# Altium PCB dac_brd_raton_v0.PcbDoc (part 3 of 3)
Units mm, origin at the board's own origin, x right, y up, seen from the top; angles counter-clockwise.
Board outline 145.29 x 217.93 mm, 2 copper layers (Top Layer, Bottom Layer); 316 components, 149 nets, 804 pads, 301 vias.
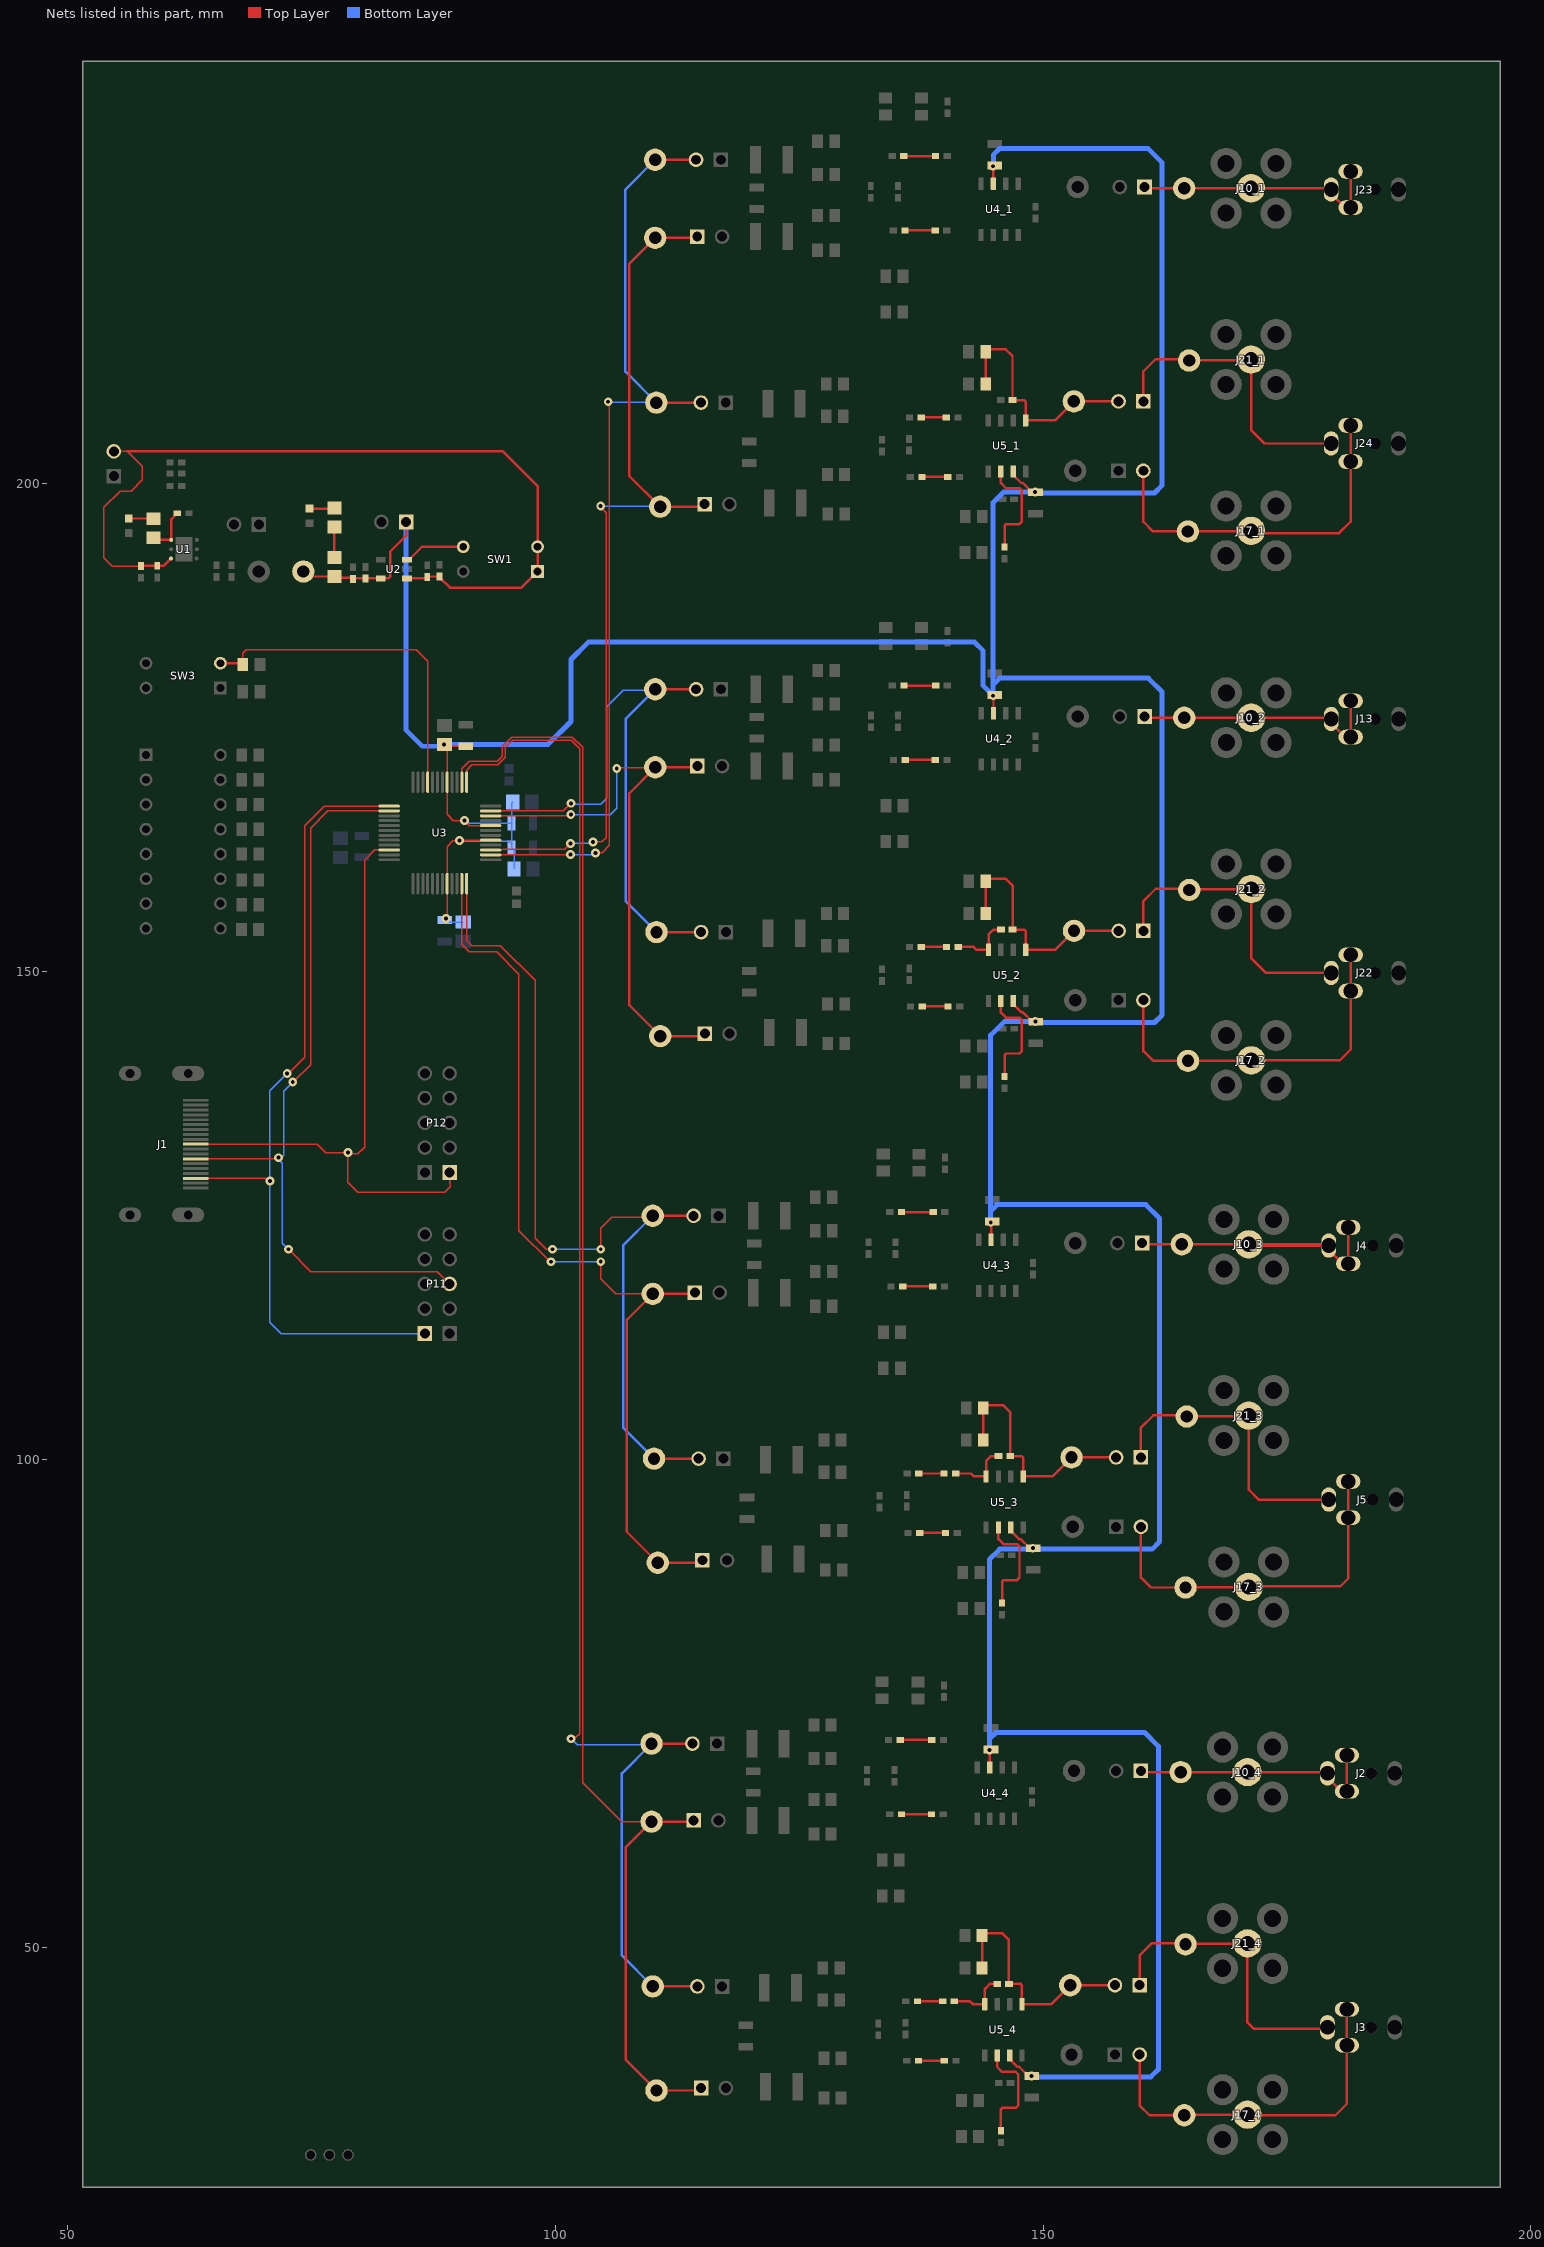
[diagram p3: the nets of this part, all layers, seen from the top]

## Via types
v1: diameter 0.9, hole 0.4, Top Layer to Bottom Layer, tented both sides, 287 vias
v2: diameter 0.9, hole 0.4, Top Layer to Bottom Layer, 10 vias
v3: diameter 6, hole 3.15, Top Layer to Bottom Layer, 4 vias

## Nets (pads, with @x,y where several pads share a name; then routed paths per layer and width w, separated by ;. In a path a pad name is that pad's centre, name@x,y a point inside that pad or via, vN(x,y) a via of type N, cw(c..) or ccw(c..) an arc to the next point about the centre after c; other vN are vias at no path point) (continued)
NetC36_1_2: C36_1.2 J19_1.1 P9_1.2 R38_1.1 R39_1.1 U5_1.5 | length 24.6
  Top Layer w0.254: R38_1.1@144.104,210.229 R39_1.1@144.104,213.531 144.358,213.785 146.164,213.785 146.856,213.093 C36_1.2@146.856,208.578 148.048,208.578 148.196,208.43 U5_1.5@148.196,206.504 151.202,206.504 J19_1.1@153.149,208.451 P9_1.2@157.721,208.451
NetC36_2_1: C36_2.1 R36_2.2 U5_2.8 | length 6.3
  Top Layer w0.254: R36_2.2@141.281,152.527 142.875,152.527 143.171,152.231 U5_2.8@144.399,152.231 144.399,153.797 144.907,154.305 C36_2.1@145.669,154.305
NetC36_2_2: C36_2.2 J19_2.1 P9_2.2 R38_2.1 R39_2.1 U5_2.5 | length 24.6
  Top Layer w0.254: R38_2.1@144.117,155.956 R39_2.1@144.117,159.258 144.371,159.512 146.177,159.512 146.869,158.82 C36_2.2@146.869,154.305 148.06,154.305 148.209,154.156 U5_2.5@148.209,152.231 151.215,152.231 J19_2.1@153.162,154.178 P9_2.2@157.734,154.178
NetC36_3_1: C36_3.1 R36_3.2 U5_3.8 | length 6.3
  Top Layer w0.254: R36_3.2@141.027,98.552 142.621,98.552 142.917,98.256 U5_3.8@144.145,98.256 144.145,99.822 144.653,100.33 C36_3.1@145.415,100.33
NetC36_3_2: C36_3.2 J19_3.1 P9_3.2 R38_3.1 R39_3.1 U5_3.5 | length 24.6
  Top Layer w0.254: R38_3.1@143.863,101.981 R39_3.1@143.863,105.283 144.117,105.537 145.923,105.537 146.615,104.845 C36_3.2@146.615,100.33 147.806,100.33 147.955,100.181 U5_3.5@147.955,98.256 150.961,98.256 J19_3.1@152.908,100.203 P9_3.2@157.48,100.203
NetC36_4_1: C36_4.1 R36_4.2 U5_4.8 | length 6.3
  Top Layer w0.254: R36_4.2@140.9,44.45 142.494,44.45 142.79,44.154 U5_4.8@144.018,44.154 144.018,45.72 144.526,46.228 C36_4.1@145.288,46.228
NetC36_4_2: C36_4.2 J19_4.1 P9_4.2 R38_4.1 R39_4.1 U5_4.5 | length 24.6
  Top Layer w0.254: R38_4.1@143.736,47.879 R39_4.1@143.736,51.181 143.99,51.435 145.796,51.435 146.488,50.743 C36_4.2@146.488,46.228 147.679,46.228 147.828,46.079 U5_4.5@147.828,44.154 150.834,44.154 J19_4.1@152.781,46.101 P9_4.2@157.353,46.101
NetLED1_2: LED1.2 R3.1 | length 2.5
  Top Layer w0.254: LED1.2@56.261,196.445 58.784,196.445 R3.1@58.801,196.428
NetLED2_2: LED2.2 R4.1 | length 2.6
  Top Layer w0.254: LED2.2@74.803,197.461 77.274,197.461 R4.1@77.343,197.53
NetR1_1: R1.1 R3.2 U1.4 | length 5
  Top Layer w0.254: R3.2@58.801,194.478 59.035,194.244 U1.4@60.625,194.244 60.625,196.353 61.001,196.729 61.001,196.804 61.174,196.977 R1.1@61.249,196.977
NetR2_1: R2.1 R4.2 | length 3.1
  Top Layer w0.254: R2.1@77.343,192.45 R4.2@77.343,195.58
NetR18_1_2: R18_1.2 R19_1.1 | length 3.1
  Top Layer w0.254: R18_1.2@135.842,225.977 R19_1.1@138.925,225.977
NetR18_2_2: R18_2.2 R19_2.1 | length 3.1
  Top Layer w0.254: R18_2.2@135.855,171.704 R19_2.1@138.938,171.704
NetR18_3_2: R18_3.2 R19_3.1 | length 3.1
  Top Layer w0.254: R18_3.2@135.601,117.729 R19_3.1@138.684,117.729
NetR18_4_2: R18_4.2 R19_4.1 | length 3.1
  Top Layer w0.254: R18_4.2@135.474,63.627 R19_4.1@138.557,63.627
NetR22_1_2: R22_1.2 R23_1.1 | length 3.2
  Top Layer w0.254: R22_1.2@135.715,233.597 R23_1.1@138.96,233.597
NetR22_2_2: R22_2.2 R23_2.1 | length 3.2
  Top Layer w0.254: R22_2.2@135.728,179.324 R23_2.1@138.973,179.324
NetR22_3_2: R22_3.2 R23_3.1 | length 3.2
  Top Layer w0.254: R22_3.2@135.474,125.349 R23_3.1@138.719,125.349
NetR22_4_2: R22_4.2 R23_4.1 | length 3.2
  Top Layer w0.254: R22_4.2@135.347,71.247 R23_4.1@138.592,71.247
NetR30_1_2: R30_1.2 R31_1.1 | length 2.6
  Top Layer w0.254: R30_1.2@137.585,200.704 R31_1.1@140.23,200.704
NetR30_2_2: R30_2.2 R31_2.1 | length 2.6
  Top Layer w0.254: R30_2.2@137.598,146.431 R31_2.1@140.243,146.431
NetR30_3_2: R30_3.2 R31_3.1 | length 2.6
  Top Layer w0.254: R30_3.2@137.344,92.456 R31_3.1@139.989,92.456
NetR30_4_2: R30_4.2 R31_4.1 | length 2.6
  Top Layer w0.254: R30_4.2@137.217,38.354 R31_4.1@139.862,38.354
NetR33_1_2: R33_1.2 U5_1.2 | length 11
  Top Layer w0.254: U5_1.2@145.656,201.254 145.656,200.069 146.164,199.561 147.561,199.561 147.815,199.307 147.815,196.132 147.561,195.878 146.186,195.878 146.037,195.73 R33_1.2@146.037,193.522
NetR33_2_2: R33_2.2 U5_2.2 | length 11
  Top Layer w0.254: U5_2.2@145.669,146.981 145.669,145.796 146.177,145.288 147.574,145.288 147.828,145.034 147.828,141.859 147.574,141.605 146.199,141.605 146.05,141.456 R33_2.2@146.05,139.249
NetR33_3_2: R33_3.2 U5_3.2 | length 11
  Top Layer w0.254: U5_3.2@145.415,93.006 145.415,91.821 145.923,91.313 147.32,91.313 147.574,91.059 147.574,87.884 147.32,87.63 145.945,87.63 145.796,87.481 R33_3.2@145.796,85.274
NetR33_4_2: R33_4.2 U5_4.2 | length 11
  Top Layer w0.254: U5_4.2@145.288,38.904 145.288,37.719 145.796,37.211 147.193,37.211 147.447,36.957 147.447,33.782 147.193,33.528 145.818,33.528 145.669,33.379 R33_4.2@145.669,31.172
NetR35_1_2: R35_1.2 R36_1.1 | length 2.6
  Top Layer w0.254: R35_1.2@137.493,206.8 R36_1.1@140.068,206.8
NetR35_2_2: R35_2.2 R36_2.1 | length 2.6
  Top Layer w0.254: R35_2.2@137.506,152.527 R36_2.1@140.081,152.527
NetR35_3_2: R35_3.2 R36_3.1 | length 2.6
  Top Layer w0.254: R35_3.2@137.252,98.552 R36_3.1@139.827,98.552
NetR35_4_2: R35_4.2 R36_4.1 | length 2.6
  Top Layer w0.254: R35_4.2@137.125,44.45 R36_4.1@139.7,44.45
RST': R8.1 SW3.2 U3.9 | length 35.5
  Top Layer w0.152: R8.1@67.959,181.483 67.945,181.497 67.945,181.61 67.945,182.626 68.326,183.007 85.725,183.007 86.908,181.824 U3.9@86.908,169.418
  Top Layer w0.254: SW3.2@65.659,181.61 67.832,181.61 R8.1@67.945,181.497
SCKI: J1.7 P11.5 U3.14 | length 80.6
  Top Layer w0.152: J1.7@63.119,130.81 71.501,130.81 v1(71.619,130.928) ; v1(72.644,121.539) 74.93,119.253 87.884,119.253 P11.5@89.154,117.983 ; v1@73.025,138.684 73.152,138.684 74.93,140.462 74.93,164.719 76.679,166.468 U3.14@82.958,166.468
  Bottom Layer w0.152: v1(71.619,130.928) 71.619,130.748 v1@71.656,130.711 ; v1@71.628,130.683 v1@71.656,130.711 ; v1(72.644,121.539) 72.009,122.174 72.009,130.358 v1@71.656,130.711 ; v1(73.079,138.675) 72.136,137.731 72.136,131.191 v1@71.656,130.711
SPICLK: J1.10 P12.1 U3.22 | length 66.1
  Top Layer w0.152: J1.10@63.119,132.31 75.589,132.31 76.454,131.445 v1(78.74,131.445) ; U3.22@82.958,162.468 81.493,162.468 80.442,161.417 80.442,132.004 79.756,131.318 78.867,131.318 v1(78.74,131.445) ; P12.1@89.154,129.413 89.154,128.378 89.218,128.314 89.218,127.953 88.646,127.381 79.756,127.381 78.74,128.397 v1(78.74,131.445)
SUB: J1.3 P11.2 U3.13 | length 85.7
  Top Layer w0.152: J1.3@63.119,128.81 70.251,128.81 70.537,128.524 v1(70.739,128.524) ; v1@72.81,139.739 74.295,141.224 74.295,164.973 76.29,166.968 U3.13@82.958,166.968
  Bottom Layer w0.152: v1(72.508,139.564) 70.739,137.795 v1(70.739,128.524) 70.739,114.046 71.882,112.903 P11.2@86.614,112.903
V5: C7.1 C8.1 C9.1 C10.1 C11.1 C12.1 C15.1 C16.1 C17.1 C18.1 C23_1.1 C23_2.1 C23_3.1 C23_4.1 C31_1.1 C31_2.1 C31_3.1 C31_4.1 J6.1 P2.1 R2.2 U2.5 U3.5 U3.32 U3.41 U3.44 U4_1.7 U4_2.7 U4_3.7 U4_4.7 U5_1.3 U5_2.3 U5_3.3 U5_4.3 | length 508.2
  Top Layer w0.152: v1(88.777,155.452) 88.908,155.583 U3.32@88.908,159.018 88.908,162.822 89.491,163.405 90.126,163.405 v1(90.17,163.449) 90.189,163.468 U3.41@93.358,163.468 ; C16.1@88.777,173.138 C16.1@88.814,173.101 ; C15.1@90.805,173.101 C16.1@88.814,173.101 ; U3.44@93.358,164.968 91.191,164.968 v1(90.678,165.481) 89.535,165.481 88.9,166.116 88.9,169.41 U3.5@88.908,169.418 88.908,173.007 C16.1@88.814,173.101
  Top Layer w0.254: J6.1@74.168,191.008 74.718,191.008 75.226,190.5 R2.2@77.343,190.5 77.47,190.373 79.253,190.373 79.314,190.312 80.518,190.312 82.909,190.312 83.058,190.461 83.058,193.04 84.709,194.691 P2.1@84.709,196.088 ; U4_4.7@144.526,68.411 C23_4.1@144.526,70.147 ; U4_3.7@144.653,122.513 C23_3.1@144.653,124.249 ; U4_1.7@144.894,230.761 144.894,232.497 C23_1.1@145.021,232.624 ; U4_2.7@144.907,176.488 C23_2.1@144.907,178.224 ; U5_4.3@146.558,38.904 146.558,38.554 147.379,37.733 147.548,37.733 C31_4.1@148.494,36.787 ; U5_3.3@146.685,93.006 146.685,92.656 147.506,91.835 147.675,91.835 C31_3.1@148.621,90.889 ; U5_1.3@146.926,201.254 146.926,200.904 147.747,200.083 147.916,200.083 148.862,199.137 C31_1.1@149.212,199.137 ; U5_2.3@146.939,146.981 146.939,146.631 147.76,145.81 147.929,145.81 C31_2.1@148.875,144.864
  Bottom Layer w0.152: v1(88.777,155.452) 89.162,155.067 C17.1@90.551,155.067 ; v1(90.17,163.449) 90.258,163.361 95.18,163.361 C10.1@95.504,163.037 ; v1(90.678,165.481) 90.88,165.481 91.134,165.227 C9.1@95.504,165.227 ; C11.1@95.631,167.386 95.504,167.259 C9.1@95.504,165.227 ; C12.1@95.758,160.528 95.758,162.433 C10.1@95.504,162.687 C10.1@95.504,163.037 ; C10.1@95.504,163.037 C9.1@95.504,165.227
  Bottom Layer w0.508: P2.1@84.709,196.088 84.709,174.752 86.36,173.101 v1@88.519,173.101 ; v1(88.587,173.287) 99.246,173.287 101.6,175.641 101.6,181.991 103.378,183.769 142.955,183.769 143.845,182.879 143.845,179.307 v1(144.875,178.276) 144.875,198.088 145.936,199.149 v2(149.181,199.149) 149.276,199.053 161.404,199.053 162.166,199.815 162.166,232.962 160.769,234.359 145.529,234.359 144.894,233.724 144.894,232.581 v2(144.863,232.55) ; v1(144.494,70.199) 144.494,89.757 145.542,90.805 148.844,90.805 v1(148.939,90.9) 149.034,90.805 161.163,90.805 161.925,91.567 161.925,124.714 160.528,126.111 145.288,126.111 144.653,125.476 ; 144.526,71.374 145.161,72.009 160.401,72.009 161.798,70.612 161.798,37.465 161.036,36.703 148.907,36.703 v1(148.812,36.798) ; v1(144.621,124.301) 144.621,143.478 146.05,144.907 149.161,144.907 v1(149.193,144.875) 149.288,144.78 161.417,144.78 162.179,145.542 162.179,178.689 160.782,180.086 145.542,180.086 144.907,179.451
V5_EN: SW1.3 U2.3 | length 6.3
  Top Layer w0.254: U2.3@84.789,192.212 84.989,192.212 86.325,193.548 SW1.3@90.551,193.548
VIN: C1.1 C4.1 C5.1 C6.1 P1.2 SW1.1 SW1.2 U1.6 U2.1 | length 89.7
  Top Layer w0.152: P1.2@54.737,203.327 56.134,203.327 57.658,201.803 57.658,200.406 56.515,199.263 55.372,199.263 53.721,197.612 53.721,192.405 54.553,191.573 C4.1@57.531,191.573
  Top Layer w0.254: 56.134,203.327 94.615,203.327 98.171,199.771 SW1.2@98.171,193.548 SW1.1@98.171,191.008 96.52,189.357 89.181,189.357 88.138,190.4 C6.1@88.138,190.5 86.925,190.5 C5.1@86.868,190.443 86.737,190.312 U2.1@84.789,190.312 ; C4.1@57.531,191.573 57.566,191.608 C1.1@59.182,191.608 59.867,191.608 U1.6@60.603,192.344
VIN_1_N: J9_4.1 J15_4.1 P4_4.1 P7_4.1 U3.2 | length 170
  Top Layer w0.152: U3.2@90.408,169.418 90.408,170.799 91.186,171.577 94.056,171.577 94.564,172.085 94.564,173.1 95.505,174.041 101.726,174.041 102.794,172.973 102.794,66.878 106.807,62.865 J9_4.1@109.855,62.865
  Top Layer w0.254: P4_4.1@114.173,62.992 114.046,62.865 J9_4.1@109.855,62.865 107.188,60.198 107.188,38.481 J15_4.1@110.363,35.306 114.681,35.306 P7_4.1@114.935,35.56
VIN_1_P: J12_4.1 J20_4.1 P6_4.2 P10_4.2 U3.1 | length 161.8
  Top Layer w0.152: U3.1@90.908,169.418 90.908,170.664 91.44,171.196 94.107,171.196 94.869,171.958 94.869,172.974 95.631,173.736 101.6,173.736 102.489,172.847 102.489,71.882 102.109,71.502 101.728,71.502 v1(101.591,71.365)
  Top Layer w0.254: J12_4.1@109.855,70.866 P6_4.2@114.046,70.866 ; J20_4.1@109.982,45.974 P10_4.2@114.554,45.974
  Bottom Layer w0.152: v1@101.6,71.374 102.235,70.739 109.728,70.739 J12_4.1@109.855,70.866
  Bottom Layer w0.254: J12_4.1@109.728,70.739 106.807,67.818 106.807,49.149 J20_4.1@109.982,45.974
VIN_2_N: J9_2.1 J15_2.1 P4_2.1 P7_2.1 U3.46 | length 60.5
  Top Layer w0.152: U3.46@93.358,165.968 101.452,165.968 v1(101.58,166.096) v1@101.727,166.243 ; v1(106.29,170.806) 106.358,170.874 110.168,170.874 J9_2.1@110.236,170.942
  Top Layer w0.254: J9_2.1@110.168,170.874 107.569,168.275 107.569,146.558 J15_2.1@110.744,143.383 115.062,143.383 P7_2.1@115.316,143.637 ; J9_2.1@110.236,170.942 114.427,170.942 P4_2.1@114.554,171.069
  Bottom Layer w0.152: v1(101.58,166.096) 105.644,166.096 106.299,166.751 v1@106.299,170.815
VIN_2_P: J12_2.1 J20_2.1 P6_2.2 P10_2.2 U3.47 | length 63.7
  Top Layer w0.152: U3.47@93.358,166.468 100.809,166.468 v1(101.591,167.25) v1@101.6,167.259
  Top Layer w0.254: J12_2.1@110.236,178.943 P6_2.2@114.427,178.943 ; J20_2.1@110.363,154.051 P10_2.2@114.935,154.051
  Bottom Layer w0.152: v1(101.591,167.25) 101.709,167.132 104.648,167.132 105.283,167.767 105.283,177.165 106.934,178.816 110.109,178.816 J12_2.1@110.236,178.943
  Bottom Layer w0.254: J12_2.1@110.109,178.816 107.188,175.895 107.188,157.226 J20_2.1@110.363,154.051
VIN_3_N: J9_1.1 J15_1.1 P4_1.1 P7_1.1 U3.39 | length 92.2
  Top Layer w0.152: U3.39@93.358,162.468 93.378,162.488 94.507,162.488 94.579,162.56 100.965,162.56 v1(101.545,163.14) v1@101.554,163.149 ; v1(103.849,163.285) 104.77,163.285 105.201,163.716 105.201,197.059 v1@104.394,197.866
  Top Layer w0.254: P4_1.1@114.541,225.342 114.414,225.215 J9_1.1@110.223,225.215 107.556,222.548 107.556,200.831 J15_1.1@110.731,197.656 115.049,197.656 P7_1.1@115.303,197.91
  Bottom Layer w0.152: v1(101.545,163.14) 103.704,163.14 v1(103.849,163.285) v1@104.013,163.449 ; v1(104.639,197.73) 104.676,197.693 110.695,197.693 J15_1.1@110.731,197.656
VIN_3_P: J12_1.1 J20_1.1 P6_1.2 P10_1.2 U3.38 | length 99.1
  Top Layer w0.152: U3.38@93.358,161.968 101.516,161.968 v1(101.549,162.001) v1@101.6,162.052 ; v1(104.105,162.144) 104.149,162.188 104.784,162.188 105.537,162.941 v1@105.537,208.026
  Top Layer w0.254: J12_1.1@110.223,233.216 P6_1.2@114.414,233.216 ; J20_1.1@110.35,208.324 P10_1.2@114.922,208.324
  Bottom Layer w0.152: v1(101.549,162.001) 103.962,162.001 v1(104.105,162.144) v1@104.267,162.306 ; v1(105.41,208.407) 105.451,208.366 110.309,208.366 J20_1.1@110.35,208.324
  Bottom Layer w0.254: J12_1.1@110.223,233.216 107.175,230.168 107.175,211.499 J20_1.1@110.309,208.366
VIN_4_N: J9_3.1 J15_3.1 P4_3.1 P7_3.1 U3.35 | length 96.6
  Top Layer w0.152: U3.35@90.408,159.018 90.408,152.797 91.186,152.019 93.98,152.019 96.266,149.733 96.266,123.444 99.45,120.26 v1(99.559,120.26) ; v1@104.648,120.613 v1(104.648,120.269) 104.648,118.491 106.172,116.967 J9_3.1@109.982,116.967
  Top Layer w0.254: P4_3.1@114.3,117.094 114.173,116.967 J9_3.1@109.982,116.967 107.315,114.3 107.315,92.583 J15_3.1@110.49,89.408 114.808,89.408 P7_3.1@115.062,89.662
  Bottom Layer w0.152: v1@99.441,120.269 v1(104.648,120.269)
VIN_4_P: J12_3.1 J20_3.1 P6_3.2 P10_3.2 U3.36 | length 92.7
  Top Layer w0.152: U3.36@90.908,159.018 90.908,153.186 91.44,152.654 94.361,152.654 97.917,149.098 97.917,122.682 99.06,121.539 v1(99.695,121.539) ; v1(104.648,121.539) 104.648,123.698 105.791,124.841 109.855,124.841 J12_3.1@109.982,124.968
  Top Layer w0.254: J12_3.1@109.982,124.968 P6_3.2@114.173,124.968 ; J20_3.1@110.109,100.076 P10_3.2@114.681,100.076
  Bottom Layer w0.152: v1@99.441,121.539 v1(99.695,121.539) v1(104.648,121.539)
  Bottom Layer w0.254: J12_3.1@109.982,124.968 106.934,121.92 106.934,103.251 J20_3.1@110.109,100.076
VOUT_1: J8_1.1 J10_1.2 J23.2 J23.3 J23.4 P5_1.1 | length 25.9
  Top Layer w0.254: P5_1.1@160.388,230.422 160.515,230.295 J8_1.1@164.452,230.295 J10_1.2@171.31,230.295 179.383,230.295 J23.4@179.51,230.168 179.51,229.743 180.935,228.318 J23.3@181.51,228.318 J23.2@181.51,232.018
VOUT_1_N: J3.4 J18_4.1 J21_4.2 P9_4.1 | length 31.3
  Top Layer w0.254: P9_4.1@159.893,46.101 159.893,49.149 161.163,50.419 164.465,50.419 J18_4.1@164.592,50.292 164.64,50.34 170.894,50.34 J21_4.2@170.942,50.387 170.942,42.291 171.577,41.656 179.015,41.656 J3.4@179.142,41.783
VOUT_1_P: J3.2 J3.3 J14_4.1 J17_4.2 P8_4.2 | length 37.1
  Top Layer w0.254: P8_4.2@159.893,38.989 159.893,33.782 160.909,32.766 J14_4.1@164.465,32.766 164.497,32.798 170.91,32.798 J17_4.2@170.942,32.829 171.005,32.766 179.959,32.766 181.142,33.949 J3.3@181.142,39.933 J3.2@181.142,43.633
VOUT_2: J8_2.1 J10_2.2 J13.2 J13.3 J13.4 P5_2.1 | length 25.9
  Top Layer w0.254: P5_2.1@160.401,176.149 160.528,176.022 J8_2.1@164.465,176.022 J10_2.2@171.323,176.022 179.396,176.022 J13.4@179.523,175.895 179.523,175.47 180.948,174.045 J13.3@181.523,174.045 J13.2@181.523,177.745
VOUT_2_N: J5.4 J18_3.1 J21_3.2 P9_3.1 | length 30.9
  Top Layer w0.254: P9_3.1@160.02,100.203 160.02,103.251 161.29,104.521 164.592,104.521 J18_3.1@164.719,104.394 164.767,104.442 171.021,104.442 J21_3.2@171.069,104.489 171.069,96.901 172.085,95.885 J5.4@179.269,95.885
VOUT_2_P: J5.2 J5.3 J14_3.1 J17_3.2 P8_3.2 | length 37.2
  Top Layer w0.254: P8_3.2@160.02,93.091 160.02,87.884 161.036,86.868 J14_3.1@164.592,86.868 164.624,86.9 171.037,86.9 J17_3.2@171.069,86.931 171.132,86.995 180.467,86.995 181.269,87.797 J5.3@181.269,94.035 J5.2@181.269,97.735
VOUT_3: J4.2 J4.3 J4.4 J8_3.1 J10_3.2 P5_3.1 | length 25.2
  Top Layer w0.254: P5_3.1@160.147,122.174 160.274,122.047 J8_3.1@164.211,122.047 J10_3.2@171.069,122.047 ; J4.4@179.269,121.495 180.495,120.269 181.269,120.269 J4.2@181.269,123.77
  Top Layer w0.381: J10_3.2@171.069,122.047 171.132,121.983 179.206,121.983 J4.4@179.269,121.92
VOUT_3_N: J18_2.1 J21_2.2 J22.4 P9_2.1 | length 30.6
  Top Layer w0.254: P9_2.1@160.274,154.178 160.274,157.226 161.544,158.496 164.846,158.496 J18_2.1@164.973,158.369 165.021,158.417 171.275,158.417 J21_2.2@171.323,158.464 171.323,151.384 172.847,149.86 J22.4@179.523,149.86
VOUT_3_P: J14_2.1 J17_2.2 J22.2 J22.3 P8_2.2 | length 37.1
  Top Layer w0.254: P8_2.2@160.274,147.066 160.274,141.859 161.29,140.843 J14_2.1@164.846,140.843 164.878,140.875 171.291,140.875 J17_2.2@171.323,140.906 180.403,140.906 181.523,142.026 J22.3@181.523,148.01 J22.2@181.523,151.71
VOUT_4: J2.2 J2.3 J2.4 J8_4.1 J10_4.2 P5_4.1 | length 25.9
  Top Layer w0.254: P5_4.1@160.02,68.072 160.147,67.945 J8_4.1@164.084,67.945 J10_4.2@170.942,67.945 179.015,67.945 J2.4@179.142,67.818 179.142,67.393 180.567,65.968 J2.3@181.142,65.968 J2.2@181.142,69.668
VOUT_4_N: J18_1.1 J21_1.2 J24.4 P9_1.1 | length 30.7
  Top Layer w0.254: P9_1.1@160.261,208.451 160.261,211.499 161.531,212.769 164.833,212.769 J18_1.1@164.96,212.642 165.008,212.69 171.263,212.69 J21_1.2@171.31,212.738 171.31,205.499 172.676,204.133 J24.4@179.51,204.133
VOUT_4_P: J14_1.1 J17_1.2 J24.2 J24.3 P8_1.2 | length 37.3
  Top Layer w0.254: P8_1.2@160.261,201.339 160.261,196.132 161.277,195.116 J14_1.1@164.833,195.116 164.865,195.148 171.279,195.148 171.482,194.945 180.34,194.945 181.51,196.115 J24.3@181.51,202.283 J24.2@181.51,205.983
pads on no net: J1. J1.14 J1.15 J1.16 J1.19 J2. J3. J4. J5. J13. J22. J23. J24. J25.1 J26.1 J27.1 P11.4 P11.6 P11.8 P11.10 P12.2 P12.4 P12.6 P12.8 U2.4 U3.6 U3.7 U3.30 U3.31 U3.40 U3.45 U4_1.1 U4_1.5 U4_1.8 U4_2.1 U4_2.5 U4_2.8 U4_3.1 U4_3.5 U4_3.8 U4_4.1 U4_4.5 U4_4.8 U5_1.7 U5_2.7 U5_3.7 U5_4.7

## Polygon pours and split planes (outlines as drawn)
AGND on Top Layer "AGND_L01_P003" (solid, remove dead copper, pour order 3): 51.562,199.263 59.944,199.263 60.833,200.152 60.833,202.946 72.517,202.946 72.512,184.328 83.134,184.328 85.09,182.372 85.09,143.51 94.615,143.51 94.615,25.4 196.85,25.4 196.85,243.332 51.562,243.332
DGND on Top Layer "DGND_L01_P001" (solid, remove dead copper, pour order 1): 51.562,25.4 51.562,198.374 60.96,198.374 61.341,198.755 61.341,202.692 72.009,202.692 72.009,183.896 82.804,183.896 84.455,182.245 84.455,142.875 93.98,142.875 93.98,25.4
AGND on Bottom Layer "AGND_L02_P005" (solid, pour order 5): 51.566,198.271 60.329,198.271 60.837,198.779 60.837,202.97 72.521,202.97 72.516,202.964 72.516,184.352 83.138,184.352 85.094,182.396 85.094,143.534 94.619,143.534 94.619,25.424 196.854,25.424 196.854,243.356 51.566,243.356
DGND on Bottom Layer "DGND_L02_P004" (solid, pour order 4): 51.562,25.4 51.562,197.866 60.452,197.866 61.341,198.755 61.341,202.692 72.009,202.692 72.009,183.896 82.804,183.896 84.455,182.245 84.455,142.875 93.98,142.875 93.98,25.4

## Other copper
Top Layer:
  pour cut-out: 177.279,233.851 181.343,233.851 181.343,226.612 177.279,226.612
  pour cut-out: 177.279,207.816 181.343,207.816 181.343,200.577 177.279,200.577
  pour cut-out: 177.292,179.578 181.356,179.578 181.356,172.339 177.292,172.339
  pour cut-out: 177.292,153.543 181.356,153.543 181.356,146.304 177.292,146.304
  pour cut-out: 176.975,125.666 181.038,125.666 181.038,118.427 176.975,118.427
  pour cut-out: 177.038,99.568 181.102,99.568 181.102,92.329 177.038,92.329
  pour cut-out: 176.847,71.564 180.911,71.564 180.911,64.325 176.847,64.325
  pour cut-out: 176.911,45.466 180.975,45.466 180.975,38.227 176.911,38.227
Bottom Layer:
  pour cut-out: 177.279,233.851 181.343,233.851 181.343,226.612 177.279,226.612
  pour cut-out: 177.279,207.816 181.343,207.816 181.343,200.577 177.279,200.577
  pour cut-out: 177.292,179.578 181.356,179.578 181.356,172.339 177.292,172.339
  pour cut-out: 177.292,153.543 181.356,153.543 181.356,146.304 177.292,146.304
  pour cut-out: 177.038,125.603 181.102,125.603 181.102,118.364 177.038,118.364
  pour cut-out: 177.038,99.568 181.102,99.568 181.102,92.329 177.038,92.329
  pour cut-out: 176.911,71.501 180.975,71.501 180.975,64.262 176.911,64.262
  pour cut-out: 176.911,45.466 180.975,45.466 180.975,38.227 176.911,38.227

## Silkscreen, mask and mechanical layers (free items; w line width, h text height)
Top Overlay:
  circle w0.254: c62.865,30.607 r1.778
  circle w0.254: c63.627,30.099 r1.778
  lines w0.254: 52.451,153.162 57.15,153.162 57.15,155.067 ; 52.451,155.702 57.15,155.702 57.15,157.607 ; 52.451,158.242 57.15,158.242 57.15,160.147 ; 52.451,160.782 57.15,160.782 57.15,162.687 ; 52.451,163.322 57.15,163.322 57.15,165.227 ; 52.451,165.862 57.15,165.862 57.15,167.767 ; 52.451,168.402 57.15,168.402 57.15,170.307 ; 52.451,170.942 57.15,170.942 57.15,172.847 ; 52.451,177.8 57.15,177.8 57.15,179.705 ; 52.451,180.34 57.15,180.34 57.15,182.245 ; 80.137,111.633 84.709,111.633 84.709,113.157 ; 89.154,131.953 89.789,131.953 ; 91.059,113.157 91.059,111.633 95.631,111.633 ; 91.059,115.697 91.059,114.173 95.631,114.173 ; 91.059,118.237 91.059,116.713 95.631,116.713 ; 91.059,120.777 91.059,119.253 95.631,119.253 ; 91.059,123.317 91.059,121.793 95.631,121.793 ; 91.059,129.667 91.059,128.143 95.631,128.143 ; 91.059,132.207 91.059,130.683 95.631,130.683 ; 91.059,134.747 91.059,133.223 95.631,133.223 ; 91.059,137.287 91.059,135.763 95.631,135.763 ; 100.076,191.262 100.076,189.738 104.648,189.738 ; 100.076,193.802 100.076,192.278 104.648,192.278
  text "CH4-U" at 195.398,225.596 h3.5 r90
  text "CH4-B" at 195.401,199.561 h3.5 r90
  text "V5 EN" at 100.458,192.676 h1.52
  text "3V3 EN" at 100.457,190.136 h1.52
  text "V5" at 73.534,186.199 h1.52
  text "3V3" at 68.453,186.072 h1.52
  text "RST'" at 52.451,180.738 h1.52
  text "MODE" at 52.451,178.198 h1.52
  text "FS0" at 52.451,171.34 h1.52
  text "CH3-U" at 195.411,171.323 h3.5 r90
  text "FS1" at 52.451,168.8 h1.52
  text "MUTE" at 52.451,166.26 h1.52
  text "DEM0" at 52.451,163.72 h1.52
  text "DEM1" at 52.451,161.163 h1.52
  text "FMT0" at 52.451,158.64 h1.52
  text "FMT1" at 52.451,156.083 h1.52
  text "FMT2" at 52.451,153.543 h1.52
  text "CH3-B" at 195.411,145.288 h3.5 r90
  text "CS'" at 91.44,136.161 h1.52
  text "MOSI" at 91.44,133.621 h1.52
  text "MISO" at 91.44,131.081 h1.52
  text "CLK" at 91.44,128.541 h1.52
  text "LRCK" at 91.44,122.191 h1.52
  text "BCK" at 91.44,119.651 h1.52
  text "CH2-U" at 195.157,117.348 h3.5 r90
  text "SCKI" at 91.44,117.111 h1.52
  text "DATA1" at 91.44,114.554 h1.52
  text "SUB" at 81.026,112.031 h1.52
  text "DATA0" at 91.44,112.031 h1.52
  text "CH2-B" at 195.16,91.313 h3.5 r90
  text "CH1-U" at 195.03,63.246 h3.5 r90
  text "CH1-B" at 195.033,37.211 h3.5 r90
  text "RATON" at 66.04,31.009 h1.52
  text "Board No." at 74.168,29.861 h1.52
  text "dac_brd_v0" at 66.04,29.735 h1.52
  text "callus" at 66.04,28.337 h1.52
Outline:
  the board outline again, w0.3
Top 3D Body:
  lines w0.254: 179.959,25.4 196.85,25.4 196.85,243.332
Drill Drawing:
  circle w0.254: c205.108,67.707 r0.421
  circle w0.254: c205.108,67.707 r0.701
  circle w0.254: c205.108,51.936 r0.701
  lines w0.254: 204.407,33.712 205.809,33.712 205.108,32.31 204.407,33.712 ; 204.407,35.815 204.758,35.815 205.108,35.464 205.459,35.815 205.809,35.815 205.459,36.165 205.809,36.516 205.459,36.516 205.108,36.866 204.758,36.516 204.407,36.516 204.758,36.165 204.407,35.815 ; 204.407,40.02 205.809,40.02 205.108,38.618 204.407,40.02 ; 204.407,42.474 205.108,41.773 205.809,42.474 205.108,43.174 204.407,42.474 ; 204.407,44.927 205.809,44.927 205.809,46.329 204.407,46.329 204.407,44.927 ; 204.407,48.081 205.809,48.081 205.809,49.483 204.407,49.483 204.407,48.081 ; 204.407,54.389 204.407,54.74 204.758,55.09 204.407,55.441 204.407,55.791 204.758,55.791 205.108,55.441 205.459,55.791 205.809,55.791 205.809,55.441 205.459,55.09 205.809,54.74 205.809,54.389 205.459,54.389 205.108,54.74 204.758,54.389 204.407,54.389 ; 204.407,57.894 204.758,57.894 204.758,57.544 205.459,57.544 205.459,57.894 205.809,57.894 205.809,58.595 205.459,58.595 205.459,58.945 204.758,58.945 204.758,58.595 204.407,58.595 204.407,57.894 ; 204.407,61.048 204.758,61.048 205.108,60.698 205.459,61.048 205.809,61.048 205.459,61.399 205.809,61.749 205.459,61.749 205.108,62.1 204.758,61.749 204.407,61.749 204.758,61.399 204.407,61.048 ; 204.407,63.852 205.108,64.202 205.809,63.852 205.459,64.553 205.809,65.254 205.108,64.903 204.407,65.254 204.758,64.553 204.407,63.852 ; 204.688,33.431 205.529,33.431 205.108,32.59 204.688,33.431 ; 204.688,48.361 205.529,48.361 205.529,49.202 204.688,49.202 204.688,48.361 ; 204.688,61.188 204.898,61.188 205.108,60.978 205.319,61.188 205.529,61.188 205.319,61.399 205.529,61.609 205.319,61.609 205.108,61.819 204.898,61.609 204.688,61.609 204.898,61.399 204.688,61.188
  lines w0.381: 203.136,31.364 299.902,31.364 ; 203.136,69.214 299.902,69.214 ; 211.243,28.21 211.243,72.368 ; 218.67,28.21 218.67,72.368 ; 233.341,28.21 233.341,72.368 ; 239.627,28.21 239.627,72.368 ; 248.779,28.21 248.779,72.368 ; 266.121,28.21 266.121,72.368 ; 273.62,28.21 273.62,72.368 ; 283.416,28.21 283.416,72.368 ; 203.136,28.21 299.902,28.21 299.902,72.368 203.136,72.368 203.136,28.21
  text "Symbol" at 205.029,70.16 h1.83
  text "Count" at 212.189,70.16 h1.83
  text "Hole Size" at 219.616,70.16 h1.83
  text "Plated" at 234.288,70.16 h1.83
  text "Hole Type" at 240.573,70.16 h1.83
  text "Drill Layer Pair" at 249.725,70.16 h1.83
  text "Via/Pad" at 267.068,70.16 h1.83
  text "Pad Shape" at 274.566,70.16 h1.83
  text "Template" at 284.362,70.16 h1.83
  text "297" at 212.189,67.006 h1.52
  text "0.400mm (15.75mil)" at 219.616,67.006 h1.52
  text "PTH" at 234.288,67.006 h1.52
  text "Round" at 240.573,67.006 h1.52
  text "Top Layer - Bottom Layer" at 249.725,67.006 h1.52
  text "Via" at 267.068,67.006 h1.52
  text "Rounded" at 274.566,67.006 h1.52
  text "(Mixed)" at 284.362,67.006 h1.52
  text "24" at 212.189,63.852 h1.52
  text "0.800mm (31.50mil)" at 219.616,63.852 h1.52
  text "PTH" at 234.288,63.852 h1.52
  text "Round" at 240.573,63.852 h1.52
  text "Top Layer - Bottom Layer" at 249.725,63.852 h1.52
  text "Pad" at 267.068,63.852 h1.52
  text "(Mixed)" at 274.566,63.852 h1.52
  text "(Mixed)" at 284.362,63.852 h1.52
  text "3" at 212.189,60.698 h1.52
  text "0.900mm (35.43mil)" at 219.616,60.698 h1.52
  text "PTH" at 234.288,60.698 h1.52
  text "Round" at 240.573,60.698 h1.52
  text "Top Layer - Bottom Layer" at 249.725,60.698 h1.52
  text "Pad" at 267.068,60.698 h1.52
  text "Rounded" at 274.566,60.698 h1.52
  text "c120h90" at 284.362,60.698 h1.52
  text "2" at 212.189,57.544 h1.52
  text "0.900mm (35.43mil)" at 219.616,57.544 h1.52
  text "PTH" at 234.288,57.544 h1.52
  text "Slot" at 240.573,57.544 h1.52
  text "Top Layer - Bottom Layer" at 249.725,57.544 h1.52
  text "Pad" at 267.068,57.544 h1.52
  text "Rounded" at 274.566,57.544 h1.52
  text "r230_150h90_170r100" at 284.362,57.544 h1.52
  text "2" at 212.189,54.389 h1.52
  text "0.900mm (35.43mil)" at 219.616,54.389 h1.52
  text "PTH" at 234.288,54.389 h1.52
  text "Slot" at 240.573,54.389 h1.52
  text "Top Layer - Bottom Layer" at 249.725,54.389 h1.52
  text "Pad" at 267.068,54.389 h1.52
  text "Rounded" at 274.566,54.389 h1.52
  text "r330_150h90_270r100" at 284.362,54.389 h1.52
  text "82" at 212.189,51.235 h1.52
  text "1.020mm (40.16mil)" at 219.616,51.235 h1.52
  text "PTH" at 234.288,51.235 h1.52
  text "Round" at 240.573,51.235 h1.52
  text "Top Layer - Bottom Layer" at 249.725,51.235 h1.52
  text "Pad" at 267.068,51.235 h1.52
  text "(Mixed)" at 274.566,51.235 h1.52
  text "(Mixed)" at 284.362,51.235 h1.52
  text "8" at 212.189,48.081 h1.52
  text "1.200mm (47.24mil)" at 219.616,48.081 h1.52
  text "PTH" at 234.288,48.081 h1.52
  text "Round" at 240.573,48.081 h1.52
  text "Top Layer - Bottom Layer" at 249.725,48.081 h1.52
  text "Pad" at 267.068,48.081 h1.52
  text "Rounded" at 274.566,48.081 h1.52
  text "c120h120" at 284.362,48.081 h1.52
  text "42" at 212.189,44.927 h1.52
  text "1.270mm (50.00mil)" at 219.616,44.927 h1.52
  text "PTH" at 234.288,44.927 h1.52
  text "Round" at 240.573,44.927 h1.52
  text "Top Layer - Bottom Layer" at 249.725,44.927 h1.52
  text "Pad" at 267.068,44.927 h1.52
  text "Rounded" at 274.566,44.927 h1.52
  text "c229h127m254" at 284.362,44.927 h1.52
  text "32" at 212.189,41.773 h1.52
  text "1.500mm (59.06mil)" at 219.616,41.773 h1.52
  text "PTH" at 234.288,41.773 h1.52
  text "Slot" at 240.573,41.773 h1.52
  text "Top Layer - Bottom Layer" at 249.725,41.773 h1.52
  text "Pad" at 267.068,41.773 h1.52
  text "Rounded" at 274.566,41.773 h1.52
  text "r150_250h150_80r100" at 284.362,41.773 h1.52
  text "12" at 212.189,38.618 h1.52
  text "1.550mm (61.02mil)" at 219.616,38.618 h1.52
  text "PTH" at 234.288,38.618 h1.52
  text "Round" at 240.573,38.618 h1.52
  text "Top Layer - Bottom Layer" at 249.725,38.618 h1.52
  text "Pad" at 267.068,38.618 h1.52
  text "Rounded" at 274.566,38.618 h1.52
  text "c290h155" at 284.362,38.618 h1.52
  text "48" at 212.189,35.464 h1.52
  text "1.750mm (68.90mil)" at 219.616,35.464 h1.52
  text "PTH" at 234.288,35.464 h1.52
  text "Round" at 240.573,35.464 h1.52
  text "Top Layer - Bottom Layer" at 249.725,35.464 h1.52
  text "Pad" at 267.068,35.464 h1.52
  text "Rounded" at 274.566,35.464 h1.52
  text "c320h175" at 284.362,35.464 h1.52
  text "4" at 212.189,32.31 h1.52
  text "3.150mm (124.02mil)" at 219.616,32.31 h1.52
  text "PTH" at 234.288,32.31 h1.52
  text "Round" at 240.573,32.31 h1.52
  text "Top Layer - Bottom Layer" at 249.725,32.31 h1.52
  text "Via" at 267.068,32.31 h1.52
  text "Rounded" at 274.566,32.31 h1.52
  text "v600h315" at 284.362,32.31 h1.52
  text "556 Total" at 212.189,29.156 h1.52
  text "Slot definitions :" at 205.029,26.948 h1.52
  text "Routed Path Length" at 215.423,26.948 h1.52
  text "= Calculated from tool start centre position to tool end centre position." at 228.3,26.948 h1.52
  text "Hole Length" at 215.423,25.686 h1.52
  text "= Routed Path Length + Tool Size = Slot length as defined in the PCB layout" at 223.519,25.686 h1.52

## Text inside footprints (layer, text, board x,y; h text height)
P11: Top Overlay "1." at 89.154,110.363 h1.52; Top Overlay "2." at 86.106,110.363 h1.52; Top Overlay "9." at 90.805,124.841 h1.52; Top Overlay "10." at 83.439,124.587 h1.52
P12: Top Overlay "1." at 89.027,126.873 h1.52; Top Overlay "2." at 86.106,126.873 h1.52; Top Overlay "9." at 91.059,139.446 h1.52; Top Overlay "10." at 83.185,139.446 h1.52